# Altium PCB FMC_ADC_130M_16B_4CH.PcbDoc (part 4 of 8)
Units mm, origin at the board's own origin, x right, y up, seen from the top; angles counter-clockwise.
Board outline 76.78 x 69 mm, 8 copper layers (Top Layer, GND1, L3, GND2, L5, GND3, POWER, Bottom Layer), stack 1.329 mm thick; 397 components, 449 nets, 2112 pads, 1765 vias.
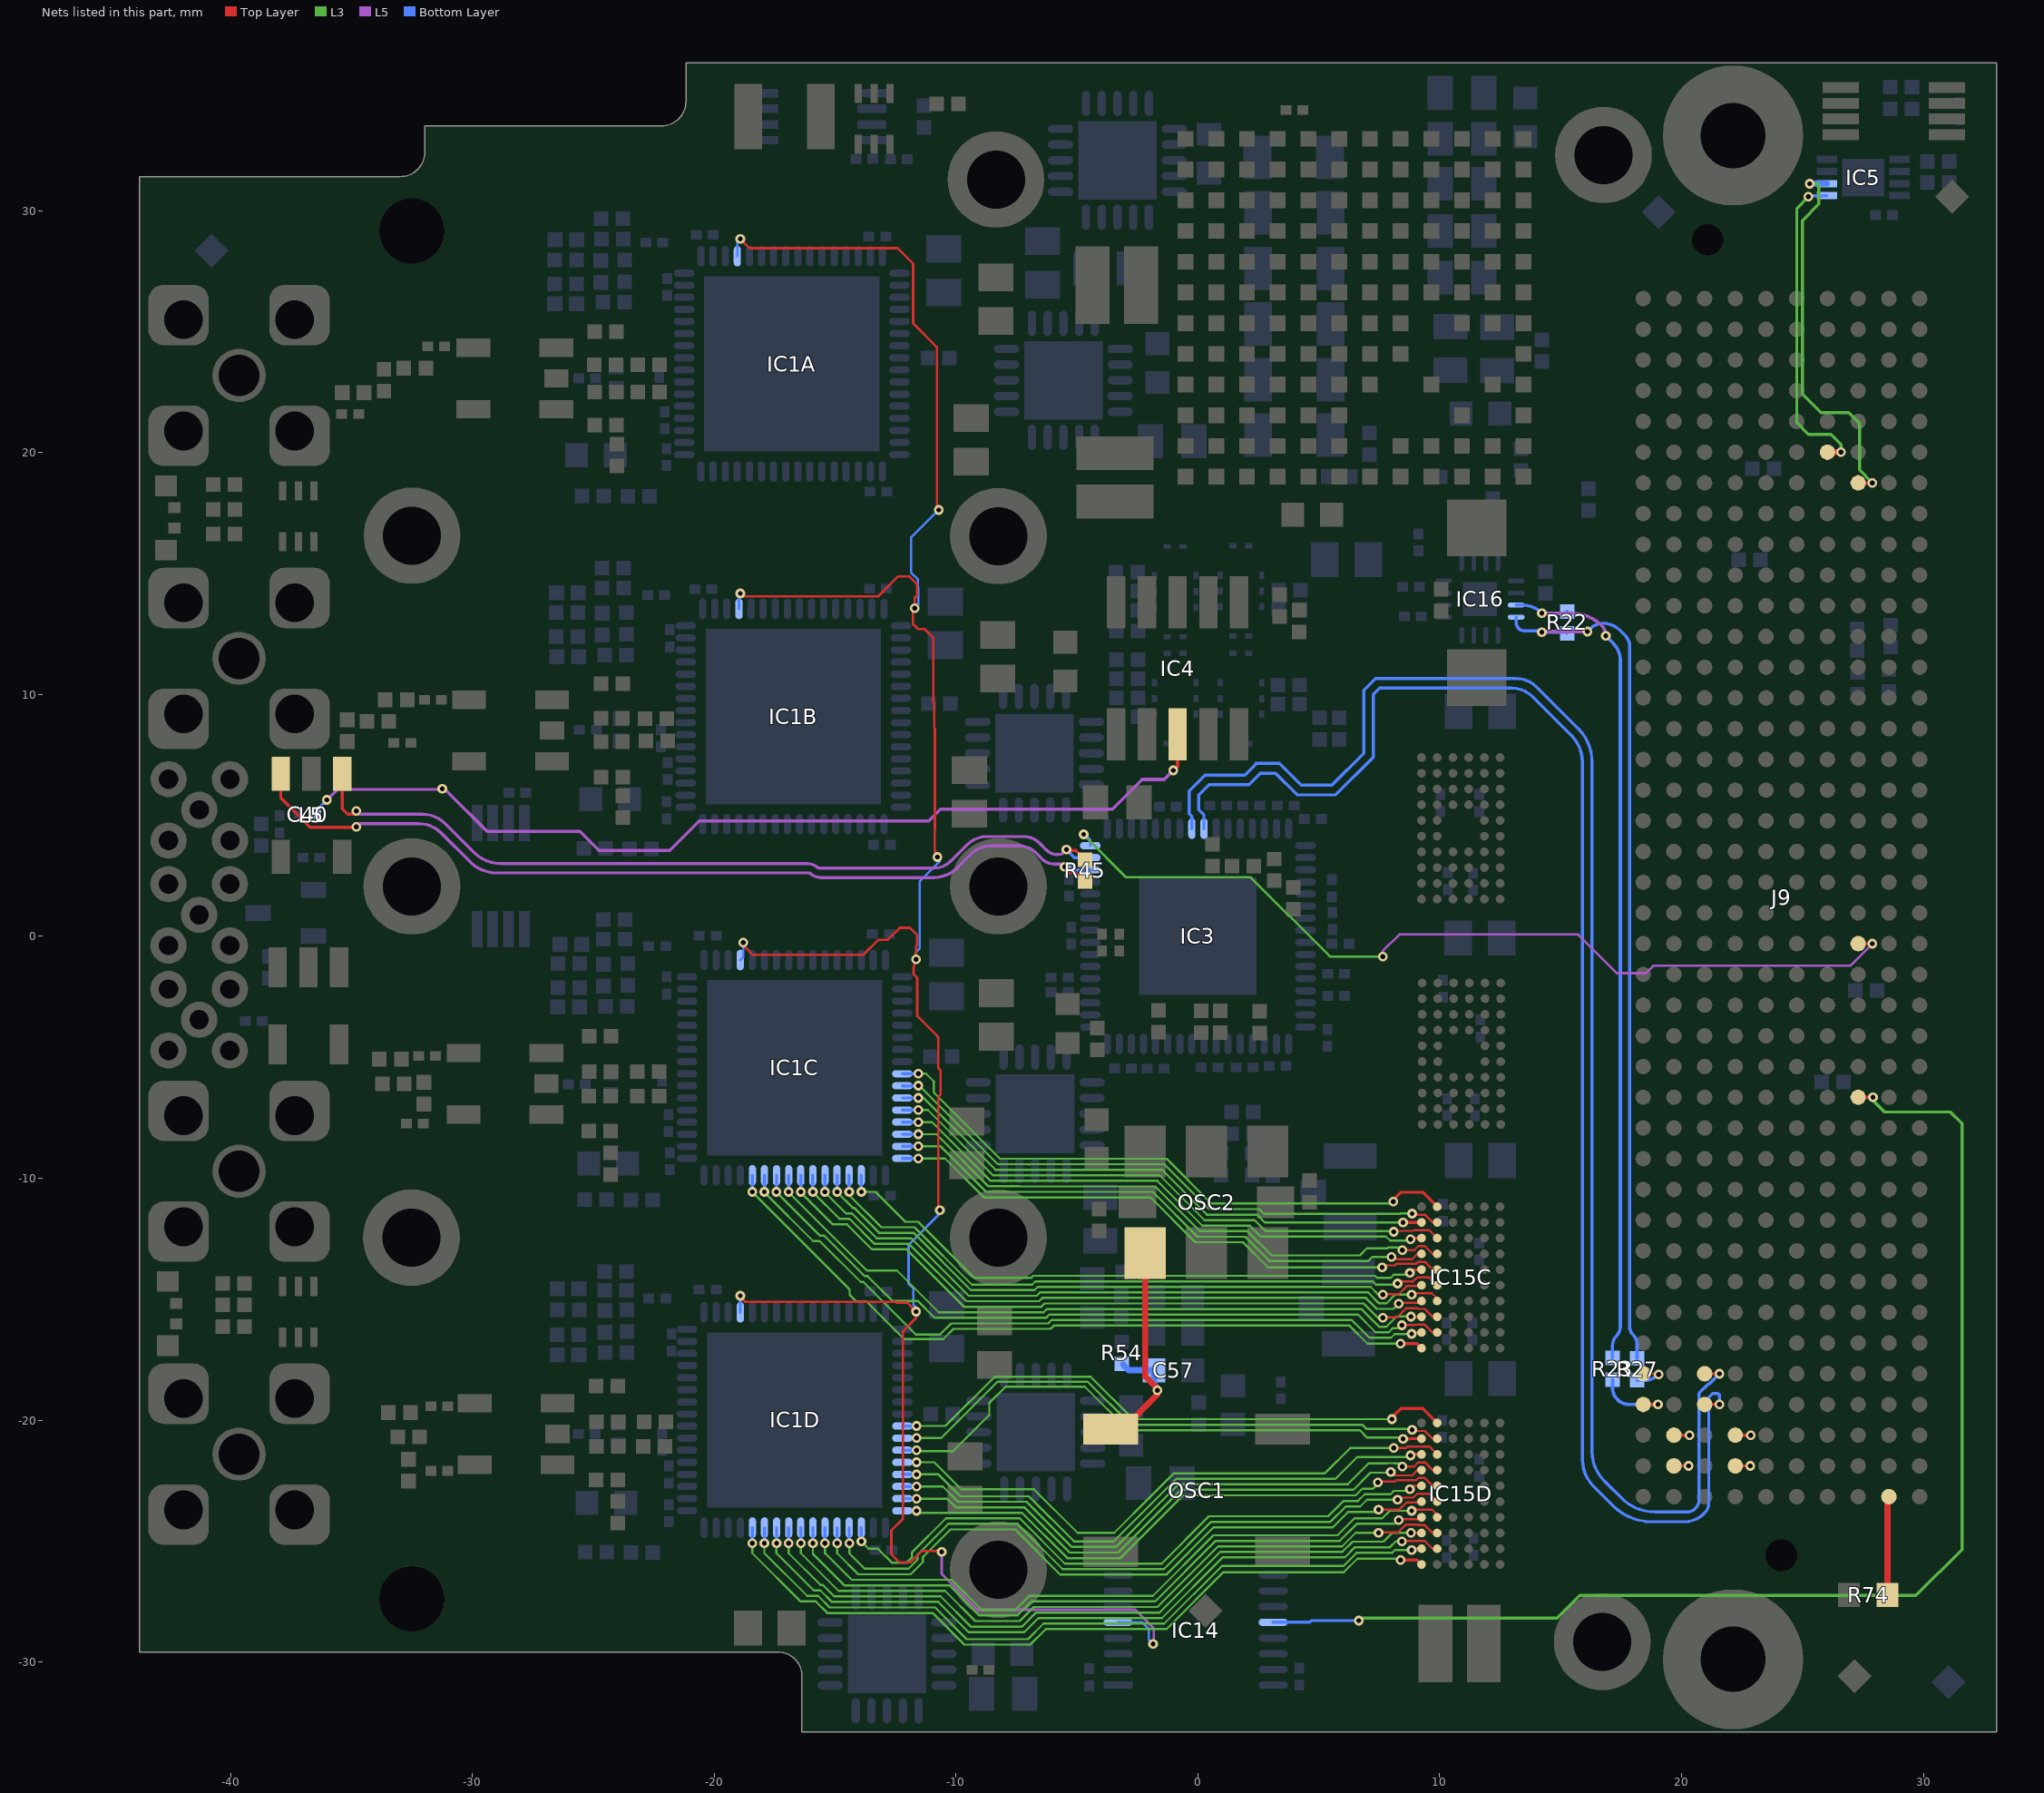
[diagram p10: the nets of this part, all layers, seen from the top]

## Via types
v1: diameter 0.4, hole 0.2, Top Layer to Bottom Layer, tented both sides, 1471 vias
v2: diameter 0.5, hole 0.2, Top Layer to Bottom Layer, tented both sides, 280 vias
v3: diameter 0.4, hole 0.2, Top Layer to Bottom Layer, 14 vias

## Nets (pads, with @x,y where several pads share a name; then routed paths per layer and width w, separated by ;. In a path a pad name is that pad's centre, name@x,y a point inside that pad or via, vN(x,y) a via of type N, cw(c..) or ccw(c..) an arc to the next point about the centre after c; other vN are vias at no path point) (continued)
CH3.CLKOUTA: IC1C.41 IC15C.K5 | length 25.2
  Top Layer w0.127: v1(8.077,-10.973) 8.077,-10.998 8.103,-11.024 8.103,-10.871 8.391,-10.582 9.301,-10.582 IC15C.K5@9.896,-11.178
  L3 w0.089: v1(-11.557,-5.676) -11.24,-5.676 -10.922,-5.994 ; -10.909,-6.007 -10.922,-5.994 ; v1(8.077,-10.973) 8.001,-11.049 0.559,-11.049 -1.295,-9.195 -8.185,-9.194 -10.922,-6.457 -10.922,-5.994
  Bottom Layer w0.127: IC1C.41@-12.223,-5.682 -11.563,-5.682 v1(-11.557,-5.676)
CH3.DA0: IC1C.42 IC15C.J5 | length 24.7
  Top Layer w0.089: v1(8.857,-11.463) 8.897,-11.503 v1@8.937,-11.503 ; v1@9.042,-11.506 v1@9.039,-11.503 ; IC15C.J5@9.896,-11.828 9.7,-11.828 9.379,-11.507 8.941,-11.507 v1@8.937,-11.503 ; v1@8.937,-11.503 8.915,-11.481 9.017,-11.481 v1@9.039,-11.503 ; v1@8.937,-11.503 v1@9.039,-11.503
  L3 w0.089: v1(-11.557,-6.178) -11.525,-6.178 -8.279,-9.423 -6.989,-9.423 ; -6.989,-9.423 -6.967,-9.423 ; -6.966,-9.423 -1.391,-9.423 0.464,-11.278 2.54,-11.278 2.734,-11.471 8.366,-11.471 8.375,-11.463 v1(8.857,-11.463)
  Bottom Layer w0.127: IC1C.42@-12.223,-6.182 -11.561,-6.182 v1(-11.557,-6.178)
CH3.DA1: IC1C.43 IC15C.J6 | length 23.6
  Top Layer w0.127: v1(8.484,-11.836) 9.237,-11.836 IC15C.J6@9.246,-11.828
  L3 w0.089: v1(-11.557,-6.679) -11.346,-6.679 -8.374,-9.652 -7.084,-9.652 -6.872,-9.652 -1.485,-9.652 0.369,-11.506 2.438,-11.506 2.769,-11.836 v1(8.484,-11.836)
  Bottom Layer w0.127: IC1C.43@-12.223,-6.682 -11.559,-6.682 v1(-11.557,-6.679)
CH3.DA2: IC1C.44 IC15C.H5 | length 24.4
  Top Layer w0.089: v1(8.103,-12.217) 8.144,-12.176 8.906,-12.176 8.931,-12.151 9.569,-12.151 IC15C.H5@9.896,-12.478
  L3 w0.089: v1(-11.557,-7.181) -11.168,-7.181 -8.469,-9.88 -7.179,-9.88 ; -7.178,-9.881 -1.579,-9.881 0.275,-11.735 2.344,-11.735 2.791,-12.183 7.875,-12.183 7.91,-12.217 v1(8.103,-12.217)
  Bottom Layer w0.127: IC1C.44@-12.223,-7.182 v1@-11.558,-7.182
CH3.DA3: IC1C.45 IC15C.H6 | length 23.6
  Top Layer w0.127: v1(8.788,-12.522) 8.833,-12.478 IC15C.H6@9.246,-12.478
  L3 w0.089: v1(-11.557,-7.682) -10.99,-7.682 -8.563,-10.109 -7.273,-10.109 -1.674,-10.109 0.18,-11.963 2.147,-11.963 2.594,-12.411 7.78,-12.411 7.951,-12.582 8.677,-12.582 8.763,-12.497 v1(8.788,-12.522)
  Bottom Layer w0.127: IC1C.45@-12.223,-7.682 v1@-11.558,-7.682
CH3.DA4: IC1C.46 IC15C.G5 | length 24.6
  Top Layer w0.089: v1(8.458,-12.979) 8.94,-12.979 9.113,-12.807 9.379,-12.807 9.7,-13.128 IC15C.G5@9.896,-13.128
  L3 w0.089: v1(-11.557,-8.184) -10.811,-8.184 -8.658,-10.337 -7.368,-10.337 ; -7.367,-10.338 -1.769,-10.338 0.085,-12.192 2.052,-12.192 3.052,-13.192 6.696,-13.192 6.985,-12.903 7.84,-12.903 7.875,-12.868 8.347,-12.868 v1(8.458,-12.979)
  Bottom Layer w0.127: IC1C.46@-12.223,-8.182 -11.559,-8.182 v1(-11.557,-8.184)
CH3.DA5: IC1C.47 IC15C.G6 | length 23.6
  Top Layer w0.089: v1(8.001,-13.259) 8.09,-13.348 8.868,-13.348 9.088,-13.128 IC15C.G6@9.246,-13.128
  L3 w0.089: v1(-11.557,-8.686) -10.633,-8.686 -8.753,-10.566 -7.463,-10.566 -1.864,-10.566 -0.009,-12.421 1.957,-12.421 2.957,-13.421 7.047,-13.421 7.209,-13.259 v1(8.001,-13.259)
  Bottom Layer w0.127: IC1C.47@-12.223,-8.682 -11.561,-8.682 v1(-11.557,-8.686)
CH3.DA6: IC1C.48 IC15C.F5 | length 24.2
  Top Layer w0.089: v1(7.62,-13.691) 7.706,-13.605 8.144,-13.605 8.208,-13.542 9.028,-13.542 9.113,-13.457 9.379,-13.457 9.7,-13.778 IC15C.F5@9.896,-13.778
  L3 w0.089: v1(-11.557,-9.187) -10.455,-9.187 -8.847,-10.795 -7.557,-10.795 ; -7.557,-10.795 -1.958,-10.795 -0.104,-12.649 1.863,-12.649 2.904,-13.691 v1(7.62,-13.691)
  Bottom Layer w0.127: IC1C.48@-12.223,-9.182 -11.563,-9.182 v1(-11.557,-9.187)
CH3.DA7: IC1C.51 IC15C.F6 | length 25.5
  Top Layer w0.089: v1(8.763,-13.919) 8.905,-13.778 IC15C.F6@9.246,-13.778
  L3 w0.089: v1(-13.915,-10.566) -13.335,-10.566 -12.1,-11.802 -11.567,-11.802 -9.244,-14.125 -6.9,-14.125 -6.812,-14.037 7.327,-14.037 7.415,-14.125 7.965,-14.125 8.104,-13.986 8.696,-13.986 v1(8.763,-13.919)
  Bottom Layer w0.127: IC1C.51@-13.923,-9.882 -13.923,-10.559 v1(-13.915,-10.566)
CH3.DA8: IC1C.52 IC15C.E5 | length 26.9
  Top Layer w0.089: v1@8.341,-14.265 8.906,-14.265 9.065,-14.107 9.567,-14.107 9.888,-14.428 IC15C.E5@9.896,-14.428
  L3 w0.089: v1(-14.417,-10.566) -14.417,-10.704 -13.091,-12.03 -11.717,-12.03 -9.345,-14.402 -6.854,-14.402 -6.717,-14.265 7.233,-14.265 7.369,-14.402 8.204,-14.402 v1(8.255,-14.351)
  Bottom Layer w0.127: IC1C.52@-14.423,-9.882 -14.423,-10.561 v1(-14.417,-10.566)
CH3.DA9: IC1C.53 IC15C.E6 | length 26.9
  Top Layer w0.089: v1(7.645,-14.808) 7.661,-14.792 8.303,-14.792 8.633,-14.462 9.212,-14.462 IC15C.E6@9.246,-14.428
  L3 w0.089: v1(-14.919,-10.566) -14.919,-10.581 -14.273,-11.227 -14.217,-11.227 -13.186,-12.259 -11.757,-12.259 -9.385,-14.63 -6.759,-14.63 -6.622,-14.494 7.138,-14.494 7.452,-14.808 v1(7.645,-14.808)
  Bottom Layer w0.127: IC1C.53@-14.923,-9.882 -14.923,-10.562 v1(-14.919,-10.566)
CH3.DA10: IC1C.54 IC15C.D5 | length 28.4
  Top Layer w0.089: v1@8.816,-14.832 v1(8.839,-14.808) 8.891,-14.757 9.677,-14.757 9.896,-14.976 IC15C.D5@9.896,-15.078
  L3 w0.089: v1(-15.42,-10.566) -15.42,-10.581 -14.546,-11.455 -14.312,-11.455 -13.28,-12.487 -11.851,-12.487 -9.48,-14.859 -6.664,-14.859 -6.528,-14.723 7.043,-14.723 7.494,-15.173 7.797,-15.173 8.162,-14.808 v1(8.839,-14.808)
  Bottom Layer w0.127: IC1C.54@-15.423,-9.882 -15.423,-10.564 v1(-15.42,-10.566)
CH3.DA11: IC1C.55 IC15C.D6 | length 28.2
  Top Layer w0.089: v1@8.255,-15.138 8.271,-15.154 9.17,-15.154 IC15C.D6@9.246,-15.078
  L3 w0.089: v1(-15.922,-10.566) -15.922,-10.581 -14.819,-11.684 -14.407,-11.684 -13.375,-12.716 -11.946,-12.716 -9.574,-15.088 -6.569,-15.088 -6.433,-14.951 6.949,-14.951 7.399,-15.402 8.093,-15.402 v1(8.306,-15.189)
  Bottom Layer w0.127: v1(-15.922,-10.566) IC1C.55@-15.923,-9.882
CH3.DA12: IC1C.56 IC15C.C5 | length 29.6
  Top Layer w0.089: v1(7.645,-15.773) 7.645,-15.748 8.236,-15.748 8.608,-15.377 9.083,-15.377 9.113,-15.407 9.379,-15.407 9.7,-15.728 IC15C.C5@9.896,-15.728
  L3 w0.089: v1(-16.423,-10.566) -16.423,-10.581 -15.092,-11.913 -14.501,-11.913 -13.47,-12.945 -12.041,-12.945 -9.669,-15.316 -6.475,-15.316 -6.338,-15.18 6.854,-15.18 7.448,-15.773 v1(7.645,-15.773)
  Bottom Layer w0.127: v1(-16.423,-10.566) IC1C.56@-16.423,-9.882
CH3.DA13: IC1C.57 IC15C.C6 | length 29.5
  Top Layer w0.089: v1(8.814,-15.723) 8.819,-15.728 IC15C.C6@9.246,-15.728
  L3 w0.089: v1(-16.925,-10.566) -16.925,-10.581 -13.689,-13.818 -12.443,-13.818 -10.716,-15.545 -6.38,-15.545 -6.244,-15.408 6.759,-15.408 7.353,-16.002 7.358,-16.002 7.494,-16.138 7.797,-16.138 8.213,-15.723 8.272,-15.723 8.282,-15.713 8.584,-15.713 8.594,-15.723 v1(8.814,-15.723)
  Bottom Layer w0.127: v1(-16.925,-10.566) -16.923,-10.564 IC1C.57@-16.923,-9.882
CH3.DA14: IC1C.58 IC15C.B5 | length 30.8
  Top Layer w0.089: v1(8.433,-16.078) 8.442,-16.069 8.957,-16.069 8.963,-16.062 9.095,-16.062 ; 9.113,-16.057 9.379,-16.057 9.7,-16.378 IC15C.B5@9.896,-16.378
  L3 w0.089: v1(-17.427,-10.566) -17.427,-10.581 -15.638,-12.37 -15.46,-12.37 -13.783,-14.046 -13.665,-14.046 -12.64,-15.072 -11.585,-15.072 -10.883,-15.773 -6.285,-15.773 -6.149,-15.637 6.62,-15.637 7.35,-16.367 7.891,-16.367 8.053,-16.205 8.306,-16.205 v1(8.433,-16.078)
  Bottom Layer w0.127: v1(-17.427,-10.566) -17.423,-10.562 IC1C.58@-17.423,-9.882
CH3.DA15: IC1C.59 IC15C.B6 | length 31
  Top Layer w0.089: v1(8.839,-16.434) 8.839,-16.408 8.87,-16.378 IC15C.B6@9.246,-16.378
  L3 w0.089: v1(-17.928,-10.566) -17.928,-10.581 -15.911,-12.598 -15.637,-12.598 -13.945,-14.291 -13.844,-14.291 -11.675,-16.46 -10.662,-16.46 -10.204,-16.002 -6.191,-16.002 -6.054,-15.866 6.359,-15.866 6.495,-16.002 6.502,-16.002 7.096,-16.596 7.986,-16.596 8.138,-16.443 8.584,-16.443 8.594,-16.434 v1(8.839,-16.434)
  Bottom Layer w0.127: v1(-17.928,-10.566) -17.923,-10.561 IC1C.59@-17.923,-9.882
CH3.OF_A: IC1C.60 IC15C.A6 | length 31.6
  Top Layer w0.127: v1(8.382,-16.84) 9.059,-16.84 IC15C.A6@9.246,-17.028
  L3 w0.089: v1(-18.43,-10.566) -14.4,-14.596 -14.4,-14.825 -14.125,-15.1 -13.7,-15.1 -12.15,-16.65 -10.529,-16.65 -10.109,-16.231 -6.096,-16.231 -5.96,-16.094 6.264,-16.094 7.01,-16.84 v1(8.382,-16.84)
  Bottom Layer w0.127: v1(-18.43,-10.566) -18.423,-10.559 IC1C.60@-18.423,-9.882
CH4.CLKOUTA: IC1D.41 IC15D.K5 | length 24.3
  Top Layer w0.127: v1(8.026,-19.964) 8.077,-19.914 8.077,-19.939 8.103,-19.964 8.103,-19.812 8.391,-19.523 9.301,-19.523 IC15D.K5@9.896,-20.118
  L3 w0.089: v1(-11.633,-20.241) -10.438,-20.241 -8.409,-18.212 -4.433,-18.212 -2.681,-19.964 v1(8.026,-19.964) v1@8.077,-19.914
  Bottom Layer w0.127: IC1D.41@-12.22,-20.247 -11.639,-20.247 v1(-11.633,-20.241)
CH4.DA0: IC1D.42 IC15D.J5 | length 23.7
  Top Layer w0.089: v1(8.857,-20.403) 8.897,-20.443 v1@8.937,-20.443 ; v1@9.042,-20.447 v1@9.039,-20.443 ; IC15D.J5@9.896,-20.768 9.7,-20.768 9.379,-20.447 8.941,-20.447 v1@8.937,-20.443 ; v1@8.937,-20.443 v1@9.039,-20.443 ; v1@8.937,-20.443 8.915,-20.422 9.017,-20.422 v1@9.039,-20.443
  L3 w0.089: v1(-11.633,-20.743) -10.616,-20.743 -8.289,-18.415 -4.554,-18.415 -2.776,-20.193 6.796,-20.193 6.964,-20.361 8.815,-20.361 v1(8.857,-20.403)
CH4.DA1: IC1D.43 IC15D.J6 | length 23.6
  Top Layer w0.127: v1(8.484,-20.777) 8.738,-20.777 8.746,-20.768 IC15D.J6@9.246,-20.768
  L3 w0.089: v1(-11.633,-21.244) v1@-11.582,-21.244 ; v1@-11.582,-21.26 -11.557,-21.285 -10.126,-21.285 -8.623,-19.782 -8.623,-19.291 -7.95,-18.618 -4.674,-18.618 -2.87,-20.422 6.701,-20.422 7.006,-20.726 v1@8.306,-20.726
  Bottom Layer w0.127: IC1D.43@-12.22,-21.247 -11.636,-21.247 v1(-11.633,-21.244)
CH4.DA2: IC1D.44 IC15D.H5 | length 24.4
  Top Layer w0.089: v1(8.103,-21.158) 8.604,-21.158 8.67,-21.092 9.569,-21.092 IC15D.H5@9.896,-21.418
  L3 w0.089: v1(-11.633,-21.746) -10.902,-21.746 -9.787,-22.86 -6.782,-22.86 -4.978,-24.663 -3.454,-24.663 -1.889,-23.098 -1.889,-23.092 -1.14,-22.343 -1.134,-22.343 -0.991,-22.2 5.258,-22.2 6.299,-21.158 v1(8.103,-21.158)
CH4.DA3: IC1D.45 IC15D.H6 | length 24.1
  Top Layer w0.127: v1(8.788,-21.463) 8.833,-21.418 IC15D.H6@9.246,-21.418
  L3 w0.089: v1(-11.633,-22.247) -10.723,-22.247 -9.821,-23.149 -6.989,-23.149 -5.119,-25.019 -3.487,-25.019 -0.896,-22.428 5.69,-22.428 6.595,-21.523 8.728,-21.523 v1(8.788,-21.463)
  Bottom Layer w0.127: IC1D.45@-12.22,-22.247 v1(-11.633,-22.247)
CH4.DA4: IC1D.46 IC15D.G5 | length 24.8
  Top Layer w0.089: v1(8.458,-21.92) 8.94,-21.92 9.113,-21.747 9.379,-21.747 9.7,-22.068 IC15D.G5@9.896,-22.068
  L3 w0.089: v1(-11.633,-22.749) -10.545,-22.749 -9.916,-23.378 -7.084,-23.378 -5.214,-25.248 -3.392,-25.248 -1.436,-23.292 ; -1.432,-23.287 -0.801,-22.657 6.198,-22.657 7.061,-21.793 7.815,-21.793 7.824,-21.784 8.127,-21.784 8.136,-21.793 8.306,-21.793 v1@8.407,-21.895
  Bottom Layer w0.127: IC1D.46@-12.22,-22.747 -11.636,-22.747 v1(-11.633,-22.749)
CH4.DA5: IC1D.47 IC15D.G6 | length 23.9
  Top Layer w0.089: v1(7.976,-22.149) 7.976,-22.174 8.09,-22.288 8.868,-22.288 9.088,-22.068 IC15D.G6@9.246,-22.068
  L3 w0.089: v1(-11.633,-23.251) -10.367,-23.251 -10.011,-23.607 -7.179,-23.607 -5.309,-25.476 -3.297,-25.476 -0.707,-22.885 6.426,-22.885 7.137,-22.174 7.95,-22.174 v1(7.976,-22.149)
  Bottom Layer w0.127: IC1D.47@-12.22,-23.247 -11.637,-23.247 v1(-11.633,-23.251)
CH4.DA6: IC1D.48 IC15D.F5 | length 23.8
  Top Layer w0.089: v1@7.442,-22.555 7.468,-22.555 7.477,-22.546 8.144,-22.546 8.208,-22.482 9.028,-22.482 9.113,-22.397 9.379,-22.397 9.7,-22.718 IC15D.F5@9.896,-22.718
  L3 w0.089: v1(-11.633,-23.752) -11.55,-23.835 -7.273,-23.835 -5.404,-25.705 -3.203,-25.705 -0.612,-23.114 6.521,-23.114 6.8,-22.835 7.239,-22.835 v1@7.468,-22.606
  other v1: 7.442,-22.581
CH4.DA7: IC1D.51 IC15D.F6 | length 27.1
  Top Layer w0.089: v1(8.763,-22.86) 8.905,-22.718 IC15D.F6@9.246,-22.718
  L3 w0.089: v1(-13.913,-25.019) -13.618,-25.314 -13.235,-25.314 -12.657,-25.892 -12.041,-25.892 -11.827,-25.678 -11.827,-25.472 -10.418,-24.064 -7.368,-24.064 -5.498,-25.933 -1.499,-25.933 0.457,-23.978 5.385,-23.978 6.02,-23.343 6.616,-23.343 6.895,-23.063 7.967,-23.063 8.104,-22.927 8.696,-22.927 v1(8.763,-22.86)
  Bottom Layer w0.127: IC1D.51@-13.92,-24.447 -13.92,-25.012 v1(-13.913,-25.019)
CH4.DA8: IC1D.52 IC15D.E5 | length 28.7
  Top Layer w0.089: v1(8.255,-23.292) 8.341,-23.206 8.598,-23.206 8.609,-23.195 8.62,-23.206 8.906,-23.206 9.062,-23.05 9.57,-23.05 9.888,-23.368 IC15D.E5@9.896,-23.368
  L3 w0.089: v1(-14.414,-25.095) -14.414,-25.502 -13.77,-26.146 -11.971,-26.146 -11.598,-25.773 -11.598,-25.567 -10.324,-24.292 -7.463,-24.292 -5.593,-26.162 -1.404,-26.162 0.552,-24.206 5.479,-24.206 6.114,-23.571 6.71,-23.571 6.99,-23.292 v1(8.255,-23.292)
  Bottom Layer w0.127: IC1D.52@-14.42,-24.447 -14.42,-25.09 v1(-14.414,-25.095)
CH4.DA9: IC1D.53 IC15D.E6 | length 28.5
  Top Layer w0.089: v1(7.468,-23.698) 8.338,-23.698 8.633,-23.403 9.212,-23.403 IC15D.E6@9.246,-23.368
  L3 w0.089: v1(-14.916,-25.095) -14.916,-25.502 -14.043,-26.375 -11.877,-26.375 -11.37,-25.868 -11.37,-25.662 -10.229,-24.521 -7.557,-24.521 -5.688,-26.391 -1.309,-26.391 0.647,-24.435 5.574,-24.435 6.209,-23.8 7.366,-23.8 v1(7.468,-23.698)
  Bottom Layer w0.127: IC1D.53@-14.92,-24.447 -14.92,-25.091 v1(-14.916,-25.095)
CH4.DA10: IC1D.54 IC15D.D5 | length 29.3
  Top Layer w0.089: v1@8.816,-23.773 v1(8.839,-23.749) 8.891,-23.697 9.677,-23.697 9.896,-23.917 IC15D.D5@9.896,-24.018
  L3 w0.089: v1(-15.417,-25.095) -15.417,-25.502 -14.316,-26.603 -10.184,-26.603 -8.937,-27.851 -7.557,-27.851 -7.544,-27.838 ; -7.531,-27.825 -7.544,-27.838 ; v1(8.839,-23.749) 7.933,-23.749 7.619,-24.063 6.475,-24.063 5.773,-24.765 0.64,-24.765 -1.865,-27.27 -6.976,-27.27 -7.544,-27.838
  Bottom Layer w0.127: IC1D.54@-15.42,-24.447 -15.42,-25.093 v1(-15.417,-25.095)
CH4.DA11: IC1D.55 IC15D.D6 | length 29
  Top Layer w0.089: v1@8.255,-24.079 8.271,-24.095 9.17,-24.095 IC15D.D6@9.246,-24.018
  L3 w0.089: v1(-15.919,-25.095) -15.919,-25.534 -14.621,-26.832 -10.279,-26.832 -9.031,-28.08 -7.463,-28.08 -7.45,-28.067 -6.881,-27.499 -1.771,-27.499 0.734,-24.994 5.868,-24.994 6.57,-24.292 8.144,-24.292 v1(8.306,-24.13)
  Bottom Layer w0.127: v1@-15.92,-25.094 IC1D.55@-15.92,-24.447
CH4.DA12: IC1D.56 IC15D.C5 | length 30.3
  Top Layer w0.089: v1(7.468,-24.663) 7.468,-24.638 8.287,-24.638 8.608,-24.317 9.083,-24.317 9.113,-24.347 9.379,-24.347 9.7,-24.668 IC15D.C5@9.896,-24.668
  L3 w0.089: v1(-16.421,-25.095) -16.421,-25.502 -14.862,-27.06 -10.455,-27.06 -9.207,-28.308 -7.368,-28.308 -7.355,-28.296 ; -7.354,-28.296 -6.786,-27.727 -2.994,-27.727 -1.676,-27.727 0.829,-25.222 5.963,-25.222 6.521,-24.663 v1(7.468,-24.663)
  Bottom Layer w0.127: v1(-16.421,-25.095) IC1D.56@-16.42,-24.447
CH4.DA13: IC1D.57 IC15D.C6 | length 30.1
  Top Layer w0.089: v1(8.814,-24.663) 8.819,-24.668 IC15D.C6@9.246,-24.668
  L3 w0.089: v1(-16.922,-25.095) -16.922,-25.502 -15.611,-26.813 -15.516,-26.813 -15.04,-27.289 -10.64,-27.289 -9.392,-28.537 -7.273,-28.537 -7.261,-28.524 -6.691,-27.956 -1.581,-27.956 0.924,-25.451 5.974,-25.451 6.396,-25.028 7.672,-25.028 8.046,-24.654 v1@8.814,-24.654
  Bottom Layer w0.127: v1(-16.922,-25.095) -16.92,-25.093 IC1D.57@-16.92,-24.447
CH4.DA14: IC1D.58 IC15D.B5 | length 31.5
  Top Layer w0.089: v1@8.407,-24.994 v1@8.411,-24.997 ; v1(8.433,-25.019) v1@8.411,-24.997 ; IC15D.B5@9.896,-25.318 9.7,-25.318 9.379,-24.997 v1@8.411,-24.997
  L3 w0.089: v1(-17.424,-25.095) -17.424,-25.502 -15.884,-27.042 -15.611,-27.042 -15.134,-27.518 -10.735,-27.518 -9.487,-28.765 -7.179,-28.765 -7.166,-28.753 ; -7.165,-28.753 -6.597,-28.185 -1.487,-28.185 1.018,-25.679 6.071,-25.679 6.493,-25.257 7.942,-25.257 8.18,-25.019 v1(8.433,-25.019)
  Bottom Layer w0.127: v1(-17.424,-25.095) -17.42,-25.091 IC1D.58@-17.42,-24.447
CH4.DA15: IC1D.59 IC15D.B6 | length 31.3
  Top Layer w0.089: v1(8.839,-25.375) 8.839,-25.349 8.87,-25.318 IC15D.B6@9.246,-25.318
  L3 w0.089: v1(-17.925,-25.095) -17.925,-25.502 -16.157,-27.27 -15.705,-27.27 -15.229,-27.746 -10.869,-27.746 -9.557,-29.058 -7.029,-29.058 -6.384,-28.413 -1.392,-28.413 0.986,-26.035 6.015,-26.035 6.564,-25.486 8.037,-25.486 8.148,-25.375 v1(8.839,-25.375)
  Bottom Layer w0.127: v1(-17.925,-25.095) -17.92,-25.09 IC1D.59@-17.92,-24.447
CH4.OF_A: IC1D.60 IC15D.A6 | length 31.7
  Top Layer w0.127: v1(8.382,-25.781) 9.059,-25.781 IC15D.A6@9.246,-25.968
  L3 w0.089: v1(-18.427,-25.095) -18.427,-25.502 -16.43,-27.499 -15.8,-27.499 -15.324,-27.975 -10.963,-27.975 -9.652,-29.286 -6.934,-29.286 -6.29,-28.642 -1.297,-28.642 1.055,-26.289 6.036,-26.289 6.595,-25.73 v1@8.204,-25.73
  Bottom Layer w0.127: v1(-18.427,-25.095) -18.42,-25.088 IC1D.60@-18.42,-24.447
CLK0_M2C_N: IC3.24 J9.h5 | length 64.9
  Top Layer w0.127: J9.h5@20.953,-18.085 v1(21.565,-18.085)
  Bottom Layer w0.127: IC3.24@-0.25,4.45 -0.25,4.948 -0.367,5.065 -0.367,6.008 0.291,6.666 1.527,6.666 1.532,6.662 1.821,6.662 1.826,6.666 1.942,6.666 2.388,7.112 ; 2.388,7.145 3.377,7.145 4.273,6.248 5.537,6.248 6.858,7.569 6.858,10.166 7.353,10.661 13.15,10.661 cw(c13.15,9.447) 14.008,10.306 ; 14.008,10.305 15.721,8.592 cw(c14.325,7.196) 16.3,7.196 16.3,-18.059 16.3,-21.311 ccw(c17.999,-21.311) 16.798,-22.513 17.506,-23.221 ccw(c18.904,-21.822) 18.904,-23.8 20.215,-23.8 ccw(c20.215,-23.302) 20.568,-23.654 ccw(c20.184,-23.27) 20.726,-23.27 20.726,-18.892 21.12,-18.498 21.151,-18.498 v1(21.565,-18.085)
CLK0_M2C_P: IC3.25 J9.h4 | length 64.6
  Top Layer w0.127: J9.h4@20.953,-19.355 v1(21.565,-19.355)
  Bottom Layer w0.127: IC3.25@0.25,4.45 0.25,5.013 0.032,5.231 0.032,5.843 0.456,6.267 1.362,6.267 1.367,6.262 1.986,6.262 1.991,6.267 2.107,6.267 2.586,6.745 3.211,6.745 4.108,5.849 5.703,5.849 7.257,7.404 7.257,10 7.518,10.262 12.985,10.262 cw(c12.985,9.048) 13.842,9.907 ; 13.843,9.906 15.439,8.31 cw(c14.325,7.196) 15.9,7.196 15.9,-17.958 15.9,-21.639 ccw(c17.437,-21.639) 16.35,-22.725 ; 16.35,-22.726 17.177,-23.552 ccw(c18.739,-21.99) 18.739,-24.199 20.138,-24.199 ccw(c20.138,-23.116) 20.904,-23.882 ; 20.904,-23.882 20.967,-23.819 ; 20.967,-23.819 ccw(c20.583,-23.436) 21.126,-23.436 21.126,-19.057 21.285,-18.898 21.514,-18.898 21.565,-18.948 v1(21.565,-19.355)
CLK1_M2C_N: J9.g3 | length 0.6
  Top Layer w0.127: J9.g3@22.223,-20.625 22.834,-20.625 v1(22.86,-20.625)
CLK1_M2C_P: J9.g2 | length 0.6
  Top Layer w0.127: J9.g2@22.223,-21.895 v1(22.835,-21.895)
CLK2_BIDIR_N: J9.k5 R27.2 | length 1.6
  Top Layer w0.127: J9.k5@18.413,-18.085 19.024,-18.085 v1(19.05,-18.11)
  Bottom Layer w0.145: R27.2@18.161,-18.357 18.454,-18.357 ccw(c18.454,-17.514) v1(19.05,-18.11)
CLK2_BIDIR_P: J9.k4 R23.2 | length 3.2
  Top Layer w0.127: J9.k4@18.413,-19.355 v1(19.025,-19.355)
  Bottom Layer w0.145: R23.2@17.145,-18.332 17.145,-18.661 ccw(c17.839,-18.661) 17.348,-19.152 ccw(c17.839,-18.661) 17.839,-19.355 v1(19.025,-19.355)
CLK3_BIDIR_N: J9.j3 | length 0.6
  Top Layer w0.127: J9.j3@19.683,-20.625 20.294,-20.625 v1(20.33,-20.625)
CLK3_BIDIR_P: J9.j2 | length 0.6
  Top Layer w0.127: J9.j2@19.683,-21.895 v1(20.295,-21.895)
CLK_DIR: J9.b1 R74.2 | length 4
  Top Layer w0.254: R74.2@28.511,-27.229 J9.b1@28.511,-23.226
"CONTROL VOLTAGE": C57.2 OSC1.1 OSC2.1 R54.1 | length 10.7
  Top Layer w0.254: OSC1.1@-3.606,-20.371 -3.099,-20.371 -1.676,-18.948 v1(-1.676,-18.771) ; OSC2.1@-2.184,-13.098 -2.184,-18.186 v1@-1.676,-18.694
  Bottom Layer w0.254: R54.1@-3.099,-17.704 -2.863,-17.94 C57.2@-1.816,-17.94 -1.816,-18.529 v1@-1.676,-18.669
DITH: IC14.12 J9.c14 | length 52.2
  Top Layer w0.127: J9.c14@27.303,-6.655 v1(27.915,-6.655)
  L3 w0.127: v1(6.655,-28.288) 6.751,-28.193 14.844,-28.193 15.782,-27.254 29.693,-27.254 31.598,-25.349 31.598,-7.747 31.115,-7.264 28.397,-7.264 27.915,-6.782 v1(27.915,-6.655)
  Bottom Layer w0.127: IC14.12@3.114,-28.363 4.623,-28.363 4.697,-28.288 v1(6.655,-28.288)
DITH_ON_OFF: IC1A.20 IC1B.20 IC1C.20 IC1D.20 IC14.5 | length 108.1
  Top Layer w0.102: v1(-18.923,-14.859) -18.923,-14.905 -18.715,-15.113 -12.497,-15.113 -12.466,-15.144 -12.024,-15.144 -11.817,-15.351 v1@-11.817,-15.462 ; v1(-18.923,14.173) -18.799,14.049 -13.229,14.049 -12.397,14.881 -11.936,14.881 -11.611,14.556 -11.611,14.095 -11.709,13.997 v1(-11.709,13.564) ; v1(-18.923,28.829) -18.542,28.448 -12.416,28.448 -11.778,27.811 -11.778,25.346 -10.795,24.363 -10.795,17.653 -10.77,17.628 v1(-10.719,17.628) ; v1(-18.796,-0.254) -18.796,-0.381 -18.415,-0.762 -13.83,-0.762 -13.208,-0.14 -12.817,-0.14 -12.325,0.352 -11.907,0.352 -11.611,0.057 -11.611,-0.361 -11.657,-0.407 v1(-11.657,-0.954) ; v1@-11.782,13.507 -11.782,12.91 -11.576,12.703 -11.309,12.703 -10.939,12.333 -10.939,9.68 -10.903,9.644 -10.903,8.628 -10.878,8.603 -10.878,4.428 ; -11.732,-1.149 -11.732,-1.251 -11.757,-1.276 -11.757,-1.568 -11.608,-1.718 -11.608,-3.294 -10.77,-4.132 -10.77,-4.154 -10.739,-4.184 -10.739,-5.438 -10.644,-5.534 -10.644,-6.543 -10.739,-6.638 v1@-10.739,-11.43 ; v1(-11.654,-15.519) -11.654,-15.778 -12.192,-16.316 -12.192,-24.079 -12.675,-24.562 -12.675,-25.552 -12.344,-25.883 -11.887,-25.883 -11.417,-25.413 -10.63,-25.413 v1(-10.592,-25.451) ; -10.881,4.428 -10.881,3.614 ccw(c-10.406,3.614) v1@-10.742,3.278
  L5 w0.102: v1(-10.592,-25.451) -10.592,-26.365 -9.119,-27.838 -2.591,-27.838 -1.829,-28.6 -1.829,-29.235 v1(-1.854,-29.261)
  Bottom Layer w0.102: IC1A.20@-19.044,28.116 -19.044,28.708 v1(-18.923,28.829) ; IC1B.20@-18.975,13.536 -18.975,14.121 v1(-18.923,14.173) ; IC1C.20@-18.923,-0.982 -18.796,-0.855 v1(-18.796,-0.254) ; IC1D.20@-18.92,-15.547 v1@-18.92,-14.962 ; v1(-11.709,13.564) -11.562,13.711 -11.562,14.432 -11.577,14.447 -11.577,14.753 -11.862,15.038 -11.862,16.485 v1(-10.719,17.628) ; v1(-11.657,-0.954) -11.657,-0.657 -11.5,-0.5 -11.5,2.276 v1@-10.666,3.11 ; v1@-11.654,-15.346 -11.763,-15.237 -11.763,-14.561 -11.96,-14.364 -11.96,-12.752 -10.663,-11.455 -10.668,-11.451 v1(-10.668,-11.328) ; IC14.5@-3.302,-28.363 -2.295,-28.363 -2.032,-28.626 -2.032,-29.083 v1(-1.854,-29.261)
  other v1: -10.769,3.278
EXT_CLK1_N: IC3.15 L5.3 R45.2 | length 35.2
  Top Layer w0.127: L5.3@-35.382,6.719 -35.382,5.269 -35.159,5.045 -34.934,5.045 v1(-34.798,5.182) ; v1(-5.436,3.581) -5.405,3.551 -5.057,3.551 R45.2@-4.674,3.168
  L5 w0.127: v1(-34.798,5.182) -34.666,5.049 -32.068,5.049 cw(c-32.068,3.718) -31.127,4.66 ; -31.126,4.659 -29.934,3.467 ; -29.933,3.466 ccw(c-28.817,4.584) -28.817,3.004 -16.125,3.004 cw(c-16.125,2.438) -15.781,2.888 cw(c-16.125,2.438) -15.752,2.864 ; -15.724,2.838 ccw(c-16.125,2.438) -15.752,2.864 ; -9.551,3.78 -10.226,3.105 cw(c-10.923,3.803) -10.923,2.817 -15.603,2.817 cw(c-15.603,3.076) -15.752,2.864 ; -9.551,3.78 cw(c-8.724,2.953) -8.724,4.123 -7.193,4.123 cw(c-7.193,3.229) -6.561,3.861 -6.277,3.576 ccw(c-5.799,4.053) -5.931,3.391 ccw(c-5.799,4.053) -5.799,3.378 ; -5.799,3.392 -5.625,3.392 v1(-5.436,3.581)
  Bottom Layer w0.127: v1(-5.436,3.581) -5.104,3.25 IC3.15@-4.45,3.25
EXT_CLK1_P: IC3.14 L5.1 R45.1 | length 37.8
  Top Layer w0.127: L5.1@-37.922,6.719 -37.922,5.726 -36.709,4.513 -34.813,4.513 v1(-34.798,4.528) ; v1(-5.512,2.87) -5.278,2.637 -5.043,2.637 R45.1@-4.674,2.268
  L5 w0.127: v1(-34.798,4.528) -34.666,4.66 -32.225,4.66 cw(c-32.225,3.337) -31.29,4.272 -30.097,3.08 ccw(c-28.994,4.183) -29.946,2.947 ccw(c-28.994,4.183) -28.994,2.623 -16.125,2.623 cw(c-16.125,2.438) -16.022,2.592 cw(c-16.125,2.438) -15.994,2.569 ccw(c-15.588,3.09) -15.588,2.43 -10.917,2.43 ccw(c-10.917,3.797) -9.951,2.83 ; -9.95,2.83 -9.359,3.422 cw(c-8.607,2.669) -8.607,3.733 -7.351,3.733 cw(c-7.351,2.848) -6.725,3.474 -6.44,3.189 ccw(c-5.957,3.672) -5.957,2.989 -5.631,2.989 v1(-5.512,2.87)
  Bottom Layer w0.127: v1(-5.512,2.87) -5.393,2.989 -5.265,2.861 -5.248,2.861 -5.138,2.75 IC3.14@-4.45,2.75
EXT_CLK_IN: C40.1 IC4.3 | length 39.9
  Top Layer w0.145: v1(-1.016,6.858) -0.838,7.036 IC4.3@-0.838,8.344
  L5 w0.127: v1(-36.017,5.639) -35.585,6.071 -31.115,6.071 -29.388,4.343 -25.552,4.343 -24.765,3.556 -21.844,3.556 -20.625,4.775 -11.125,4.775 -10.643,5.258 -3.535,5.258 -2.311,6.481
  L5 w0.145: -2.311,6.481 -1.393,6.481 v1(-1.016,6.858)
  Bottom Layer w0.127: C40.1@-36.474,5.131 -36.5,5.131 -36.5,5.156 v1(-36.017,5.639)
  other v1: -31.242,6.096
FMC_REFCLK_N: IC16.4 R22.1 R27.1 | length 36.3
  L5 w0.135: v1(14.224,12.573) cw(c14.285,12.512) 14.285,12.598 v1(16.104,12.598)
  Bottom Layer w0.135: IC16.4@13.159,13.195 13.159,12.978 ccw(c13.513,12.978) 13.513,12.624 14.173,12.624 cw(c14.173,12.573) v1(14.224,12.573) 15.16,12.573 cw(c15.16,12.424) R22.1@15.265,12.529 ; v1(16.104,12.598) 16.224,12.718 cw(c16.764,12.178) 16.764,12.942 cw(c16.764,11.994) 17.434,12.665 17.664,12.435 cw(c17.198,11.97) 17.856,11.97 17.856,-16.153 ccw(c18.29,-16.153) 17.983,-16.459 cw(c17.554,-16.888) 18.161,-16.888 R27.1@18.161,-17.457
FMC_REFCLK_P: IC16.3 R22.2 R23.1 | length 35.4
  L5 w0.135: v1(14.224,13.36) 15.464,13.36 cw(c15.464,11.632) 16.686,12.854 cw(c16.252,12.421) v1(16.866,12.421)
  Bottom Layer w0.135: IC16.3@13.159,13.695 13.417,13.695 cw(c13.417,12.554) v1(14.224,13.36) 15.099,13.36 ccw(c15.099,13.596) R22.2@15.265,13.429 ; v1(16.866,12.421) 17.213,12.074 ; R23.1@17.145,-17.432 17.145,-16.903 cw(c17.665,-16.903) 17.297,-16.535 ccw(c16.888,-16.126) 17.467,-16.126 17.467,11.437 ccw(c16.576,11.437) 17.206,12.067
FUNCTION: IC3.16 J9.c19 | length 37.7
  Top Layer w0.102: J9.c19@27.303,-0.305 v1(27.889,-0.305)
  L5 w0.102: v1(7.645,-0.838) 7.645,-0.61 8.331,0.076 15.723,0.076 17.323,-1.524 18.526,-1.524 18.831,-1.219 26.975,-1.219 v1(27.889,-0.305)
  L3 w0.102: v1(-4.724,4.216) -4.63,4.216 -4.63,4.099 -2.969,2.438 2.184,2.438 5.461,-0.838 v1(7.645,-0.838)
  Bottom Layer w0.102: v1(-4.724,4.216) -4.699,4.242 -4.45,3.993 IC3.16@-4.45,3.75
GA0: IC5.2 J9.c34 | length 16.2
  Top Layer w0.127: J9.c34@27.303,18.745 v1(27.889,18.745)
  L3 w0.127: v1(25.298,31.115) 25.629,31.115 25.679,31.064 25.679,30.277 24.994,29.591 24.994,22.42 25.763,21.65 26.915,21.65 27.356,21.209 27.356,19.279 v1(27.889,18.745)
  Bottom Layer w0.254: v1(25.298,31.115) 25.302,31.119 IC5.2@26.008,31.119
GA1: IC5.1 J9.d35 | length 13.4
  Top Layer w0.254: J9.d35@26.033,20.015 v1(26.594,20.015)
  L3 w0.127: v1(25.248,30.582) 24.765,30.099 24.765,21.234 25.248,20.752 26.187,20.752 26.594,20.345 v1(26.594,20.015)
  Bottom Layer w0.127: v1(25.248,30.582) 25.285,30.619 IC5.1@26.008,30.619